# Altium PCB PCB1.PcbDoc (continued)
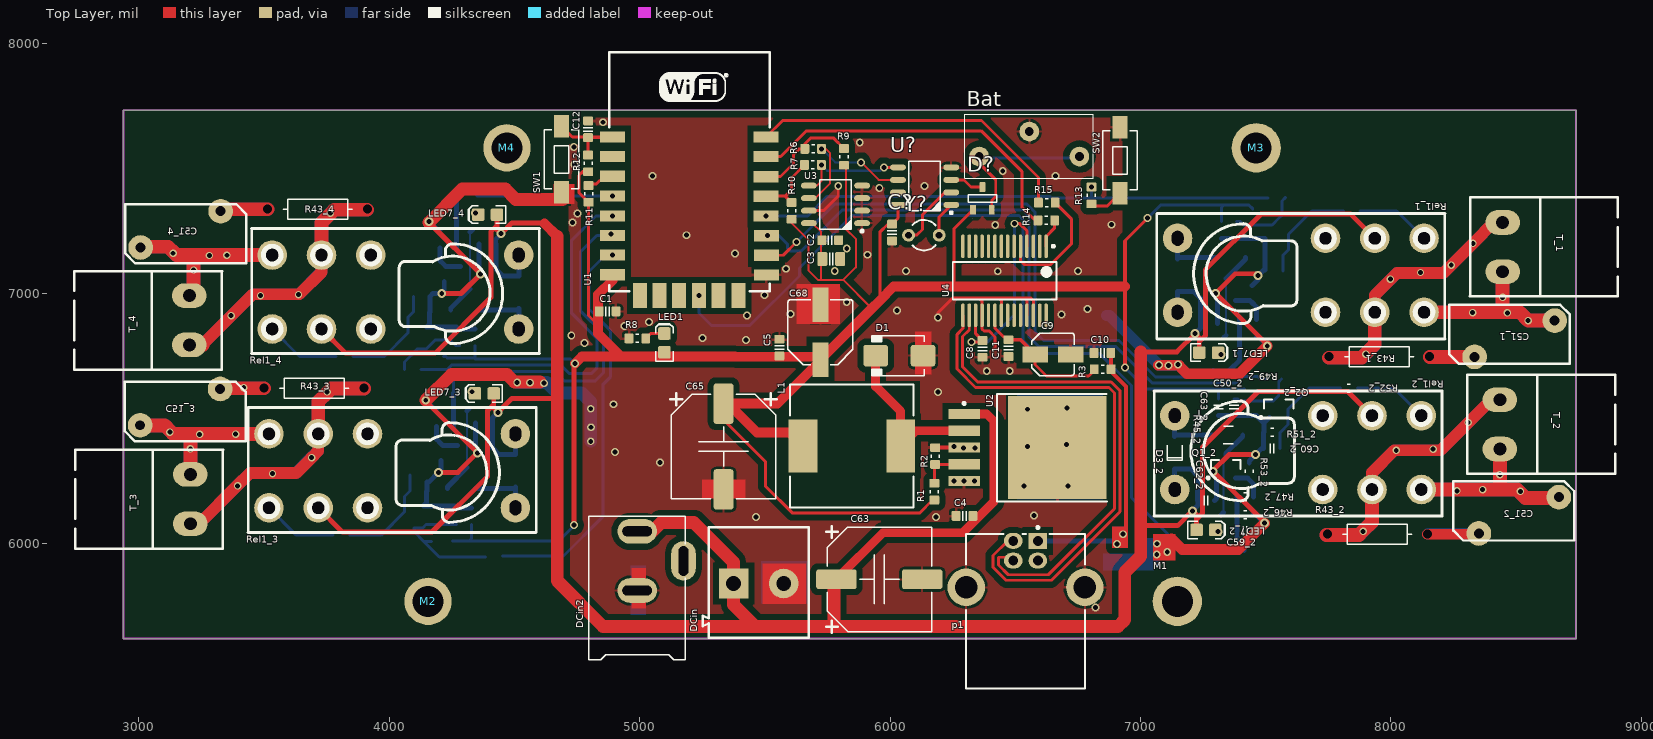
[diagram p0: Top Layer view]
## Footprints (in the part's own frame and the unit in brackets; to place one, negate y for a bottom-side part, rotate by r counter-clockwise, add the part's x,y. Pads: shape width x height; smd on the part's side, far side on the other; paste and mask are expansions set on the pad) (continued)
USB2.5-2H4E [mm] "Connector; USB1.1, Type B, Thru-Hole; 4 Position; Right Angle"
  rect 1.6x1.9 hole 1: 1(-1,1.25)
  oval 1.6x1.9 hole 1: 2(-1,-1.25) 3(1,-1.25) 4(1,1.25)
  round 3.8 hole 2.3: 5(3.71,6.02) 6(3.71,-6.02)
  silkscreen extent -2.47,-6.02 13.99,6.02, body extent -2.5,-7.45 14,7.45, height 10.95
WCAP-PSLP_4x5.5 [mm] "Aluminium Polymer V-Chip SMT Capacitors, Ф4x5.5mm"
  rect 2.6x1.6 smd: 1(1.8,0) 2(-1.8,0)
  silkscreen extent -2.15,-2.15 2.15,2.15, body extent -2.5,-2.15 2.5,2.15, height 5.5
WCAP-PSLP_6.3x7.7 [mm] "Aluminium Polymer V-Chip SMT Capacitors, Ф6.3x7.7mm"
  rect 3.5x1.6 smd: 1(2.8,0) 2(-2.8,0)
  silkscreen extent -3.3,-3.3 3.3,3.3, body extent -3.65,-3.3 3.65,3.3, height 7.7
"WE-PD 1210" [mm] "SMD Inductor, 2-Leads, Body 12,0x12,0mm"
  rect 2.9x5.4 smd: 1(-4.95,0) 2(4.95,0)
  silkscreen extent -6.25,-6.25 6.25,6.25, body extent -6,-6 6,6, height 10.36

## Part data
Bat DCin: library part 691253510002, "Terminal 2pin stand"
C1 C2 C4 C5 C8 C10 C11 C12 C50_1 C50_2 C50_3 C50_4 C59_1 C59_2 C59_3 C59_4 C60_1 C60_2 C60_3 C60_4 C62_1 C62_2 C62_3 C62_4 C63_1 C63_2 C63_3 C63_4 C?: library part CAPC_1n_0603_X7R_100V_10%, "Capacitor 0603"
C3: library part CAPC_4u7_0805, "Capacitor 0805"
C9: library part Cap-Polar, "Polar Capacitor"
C51_1 C51_2 C51_3 C51_4: library part "Cap Semi", "X1Y2 capacitor"
C63 C65: library part CAPE_220u_10V_SMD, "Capacitor SMD Alum Elec 220uF 20% 10V"
C68: library part "WCAP-PSLP 6.3x7.7x2.2 875105445007", "Capacitor smd Alum"
D1: library part DIODE_SCHOTTKY_MBRS130L, "ss34 DO-214AA"
D3_1 D3_2 D3_3 D3_4: library part DIODE_100V_500mW_MELF, "1n4148 minimelf"
D?: "bat54c"
DCin2: "Power Connector, THT, 2.1mm ID, 5.5mm OD"
L1: library part "WE-PD 1210, XXL, 7447709680", "inductor"
LED1: library part LED_SMD_Red_0805_6mcd, "LED 0805 red"
LED7_1 LED7_2 LED7_3 LED7_4: library part LED_SMD_Green_0805_6mcd, "LED 0805 Red"
M1 M2 M3 M4: library part "Board Screw", "Board Screw With Spacer"
p1: library part USB, "USB Connector-B Type"
Q1_1 Q1_2 Q1_3 Q1_4 Q2_1 Q2_2 Q2_3 Q2_4: library part NPN_MMBT2222A, "BC817"
R1 R2 R3 R4_1 R4_2 R4_3 R4_4 R5_1 R5_2 R5_3 R5_4 R6 R7 R9 R10 R14 R15 R44_1 R44_2 R44_3 R44_4 R46_1 R46_2 R46_3 R46_4 R47_1 R47_2 R47_3 R47_4 R49_1 R49_2 R49_3 R49_4 R51_1 R51_2 R51_3 R51_4 R52_1 R52_2 R52_3 R52_4 R53_1 R53_2 R53_3 R53_4: library part RES_2K2_0603_5%, "Resistor 0603"
R8 R13: library part RES_820R_0603_1%, "Resistor 0603"
R11 R12: library part RES_1K5_0603_5%, "Resistor 0603"
R43_1 R43_2 R43_3 R43_4: library part RES_1K5_Axial_0.5W_5%, "Resistor .25w dip"
R45_1 R45_2 R45_3 R45_4: library part RES_1R_1206_1%, "Resistor 1206"
Rel1_1 Rel1_2 Rel1_3 Rel1_4: library part relay_G2R_2
SW1 SW2: library part "WE-Tact Switches WS-TASV 434111043826", "SMD Tact Switch 6.0X3.5 mm"
T_1 T_2 T_3 T_4: library part "Phoenix terminal 2", "Terminal 2 Pin"
U3: library part AT24C01BN-SP25-B
U4: "USB UART Asynchronous Serial Data Transfer Chip, 28-pin SSOP, Tape and Reel"
Y?: "Crystal Oscillator"

## Via types
v1: diameter 31.5, hole 19.68, Top Layer to Bottom Layer, tented both sides, 91 vias
v2: diameter 29.68, hole 19.68, Top Layer to Bottom Layer, tented both sides, 34 vias
v3: diameter 35.43, hole 19.68, Top Layer to Bottom Layer, 20 vias
v4: diameter 31.5, hole 19.68, Top Layer to Bottom Layer, tented bottom, 1 vias

## Nets (pads, with @x,y where several pads share a name; then routed paths per layer and width w, separated by ;. In a path a pad name is that pad's centre, name@x,y a point inside that pad or via, vN(x,y) a via of type N, cw(c..) or ccw(c..) an arc to the next point about the centre after c; other vN are vias at no path point)
3.3V: C1.2 C2.2 C3.1 C5.2 C63_1.2 C63_2.2 C63_3.2 C63_4.2 C65.1 C68.1 C?.2 D?.1 L1.2 LED1.A R1.1 R9.2 R10.2 R11.1 R12.1 R49_1.2 R49_2.2 R49_3.2 R49_4.2 U1.8 U3.8 U?.8 | length 11030.7
  Top Layer w7.87: 4772.54,7486.54 R12.1 ; R10.2 5607,7281 5674,7214 5674,7093 5712,7055 5813,7055 ; U3.8@5690,7281 5725,7246 5725,7213 5725,7138 5725,7057 ; R9.2@5824,7512 5824,7257 5863,7218 5863,7105 5813,7055 ; 5923.62,6937.38 5923.62,6944.38 5813,7055
  Top Layer w11.81: v1@4740,6720 4741,6721 v1(4742,6721) ; v1@4741,6076 4741,6183 ; 4772.54,7486.54 4758,7472 4758,7402.54 R11.1 4796,6912 4834,6874 ; C65.1 5335,6496 5502,6329 5502,6232 5611,6123 6117,6123 6169.54,6175.54 R1.1 ; 5959.12,6972.88 5959,6973 5959,7245 5991.46,7277.46 C?.2 6031.7,7301.17 U?.8 ; 6256,7028 6256,7259.4 D?.1 ; 6941,7211 6941,7214 v1(7028,7301)
  Top Layer w15.75: v1(6938,6704) 6938,7010 ; 6938,7028 6938,7208
  Top Layer w19.68: v1@4737,6076 v1@4737,6720
  Top Layer w39.37: v1(4742,6721) 4769,6748 4926,6748 ; U1.8 4891,7052.54 4834,6995.54 4834,6929 4834,6874 4834,6840 4926,6748 ; L1.2 5598.12,6445 5468,6445 5352.74,6560.26 C65.1 5335.08,6560.34 5549.8,6560.34 C68.1@5722,6732.54 ; C68.1 5733.74,6747.5 5722,6747.5 5558,6747.5 5381.5,6747.5 5381,6748 5099,6748 4926,6748 ; C68.1@5738.24,6752 5923.62,6937.38 5959.12,6972.88 6014.24,7028 6256,7028 6938,7028
  Bottom Layer w11.81: R49_4.2 4226.54,6748.54 4233.08,6742 4341.7,6742 ; R49_3.2@4252.7,6011 4318.7,6011 ; C63_3.2 4328.7,6021 4318.7,6011 ; C63_4.2 4341.7,6742 ; v1@4741,6076 4739.5,6074.5 4676,6011 4318.7,6011 ; v1(4742,6721) 4724,6739 4341.7,6739 4341.7,6742 ; v1(6938,6704) 7023.7,6618.3 7312.3,6618.3 ; v1(7028,7301) 7081,7354 7333.3,7354 ; C63_2.2 7312.3,6618.3 ; C63_1.2 7323.3,7344 7333.3,7354 ; 7416,6618.3 7312.3,6618.3 ; R49_1.2 7432.76,7354 7333.3,7354
  other v1: 4738,6076
12V: C4.2 C62_1.2 C62_2.2 C62_3.2 C62_4.2 C63.1 D3_1.K D3_2.K D3_3.K D3_4.K DCin2.1 DCin.1 LED7_1.A LED7_2.A LED7_3.A LED7_4.A Rel1_1.1 Rel1_1.3 Rel1_2.1 Rel1_2.3 Rel1_3.1 Rel1_3.3 Rel1_4.1 Rel1_4.3 U2.1 | length 14067.4
  Top Layer w19.68: Rel1_3.3 3812.79,6048 4170.7,6048 4392.7,6270 4392.7,6533 4417.2,6557.5 ; Rel1_4.3 3825.79,6762 4183.7,6762 4405.7,6984 4405.7,7247 4430.2,7271.5 ; LED7_3.A 4417.2,6557.5 ; LED7_4.A 4430.2,7271.5 ; 4622,7282 4489.7,7282 v3(4446.7,7239) 4430.2,7255.5 4430.2,7271.5 ; 4671,6581 4489.7,6581 v3(4433.7,6525) 4417.2,6541.5 4417.2,6557.5 ; 7001,6073 7148.3,6073 v3(7207.3,6132) 7223.8,6115.5 7223.8,6099.5 ; 7001,6767 7145.3,6767 v3(7218.3,6840) 7234.8,6823.5 7234.8,6807.5 ; LED7_2.A 7223.8,6099.5 ; LED7_1.A 7234.8,6807.5 ; Rel1_2.3 7828.21,6609 7470.3,6609 7248.3,6387 7248.3,6124 7223.8,6099.5 ; Rel1_1.3 7839.21,7317 7481.3,7317 7259.3,7095 7259.3,6832 7234.8,6807.5
  Top Layer w35.43: C63.1 5971.74,6045 6291,6045 6344.23,6098.23 6414,6168 6414,6491 6386.07,6518.93 U2.1 U2.1@6297.46,6520.39
  Top Layer w39.37: 4620,7280 4671,7229
  Top Layer w51.18: 4671,7229 4671,6581 4671,5853 4854,5670 5462,5670 ; DCin2.1 5050.37,6050.37 5086,6086 5216,6086 5375,5927 DCin.1 5375,5757 5462,5670 ; 5776,5689 C63.1@5776,5859 ; 7001,6767 7001,6073 7001,5951 6937,5887 6937,5697 6910,5670 5462,5670
  Bottom Layer w19.68: C62_3.2 4412.17,6503.46 v3(4433.7,6525) ; C62_3.2@4413.17,6484 4413.17,6383.54 4439.74,6356.96 4504.7,6356.96 4504.7,6438.76 Rel1_3.1 ; C62_4.2 4425.17,7217.46 v3(4446.7,7239) ; C62_4.2@4426.17,7198 4426.17,7097.54 4452.74,7070.96 4517.7,7070.96 4517.7,7152.76 Rel1_4.1 ; Rel1_2.1 7136.3,6218.24 D3_2.K D3_2.K 7201.26,6300.04 7227.83,6273.46 C62_2.2@7227.83,6173 ; Rel1_1.1 7147.3,6926.24 D3_1.K 7212.26,7008.04 7238.83,6981.46 C62_1.2@7238.83,6881 ; v3(7207.3,6132) 7228.83,6153.54 C62_2.2 ; v3(7218.3,6840) 7239.83,6861.54 C62_1.2
DO1: R4_1.1 U1.16 | length 2454.7
  Top Layer w11.81: U1.16 5573,7153 v1(5626,7206)
  Bottom Layer w11.81: v1(5626,7206) 5777,7357 6547,7357 6578,7326 6578,6848 6613,6813 6914,6813 7060,6667 7275,6667 7290.54,6682.54 R4_1.1
DO2: R4_2.1 U1.12 | length 3502.4
  Bottom Layer w11.81: v1(5237,6993) 5237,6922 5287,6872 5440,6872 5638,7070 5638,7102 5848,7312 6515,7312 6530,7297 6530,6814 6584,6760 6837,6760 6964,6633 6964,6185 7174,5975 R4_2.1@7347.54,5975
DO3: R4_3.1 U1.6 | length 1230.8
  Bottom Layer w11.81: R4_3.1@4337.46,6672 4339.46,6674 4354.46,6689 4662,6689 4700,6651 4823,6651 4856,6684 4856,6838 4763,6931 4763,7166 4829,7232 4885,7232 v1@4891,7232
  other v1: 4885,7238
DO4: R4_4.1 U1.4 | length 545.2
  Bottom Layer w11.81: R4_4.1 4351.46,7390 v1(4891,7390)
DOF1: R5_1.1 R13.2 U1.18 | length 2084.5
  Bottom Layer w11.81: v1(5505,7310) 5671,7310 5749.5,7388.5 6637.5,7388.5 6644,7382 6802,7382 ; v1(6804,7425.46) 6804,7384 6802,7382 ; R5_1.1@7510,7382 6802,7382
DOF2: R5_2.1 U1.17 | length 2676.2
  Top Layer w11.81: U1.17 5508,7233 U1.17@5508.56,7233.56
  Bottom Layer w11.81: v1(5510,7231) 5556,7231 5590,7197 5590,7181 5601,7170 5645,7170 5809,7334 6529,7334 6554.19,7308.81 6554.19,6828.19 6594.38,6788 6902,6788 7048,6642 7382,6642 7409,6669 7467,6669 7477,6659 R5_2.1
DOF3: R5_3.1 U1.7 | length 1613.5
  Bottom Layer w11.81: R5_3.1@4451.46,5952 4696,5952 4853,6109 4853,6636 4883,6666 4883,6853 4798,6938 4798,7088 4864,7154 v1(4891,7154)
DOF4: R5_4.1 U1.5 | length 1488
  Bottom Layer w11.81: R5_4.1 4232,6697 4249,6714 4686,6714 4720,6680 4807,6680 4829,6702 4829,6821 4727,6923 4727,7211 4826,7310 v1(4891,7310)
EN: R11.2 U1.3 | length 106.6
  Top Layer w11.81: R11.2 4802.54,7438 4827,7438 4832.96,7443.96 cw(c4891,7385.92) U1.3
FT232RL_3.3V: C8.1 U4.4 U4.17 | length 862.9
  Top Layer w11.81: v1(6325,6806) 6362.54,6806 C8.1 6341.84,6839.62 U4.17 ; v1(6497,7279) 6518,7279 6546.57,7250.43 U4.4
  Bottom Layer w11.81: v1(6325,6806) 6388,6806 6497,6915 v1(6497,7279)
FT232RL_VCC: C9.1 C11.2 R3.2 U4.20 | length 518.2
  Top Layer w11.81: U4.20@6418.61,6873.2 6418.61,6861.39 6464.54,6815.46 C11.2 ; C9.1 6579.13,6717 6625.13,6671 6793,6671 R3.2@6814,6692
  Top Layer w15.75: C11.2 6520.67,6815.46 C9.1
GND: Bat.1 C1.1 C2.1 C3.2 C4.1 C5.1 C8.2 C9.2 C10.1 C11.1 C12.1 C50_1.1 C50_2.1 C50_3.1 C50_4.1 C59_1.1 C59_2.1 C59_3.1 C59_4.1 C60_1.1 C60_2.1 C60_3.1 C60_4.1 C62_1.1 C62_2.1 C62_3.1 C62_4.1 C63.2 C63_1.1 C63_2.1 C63_3.1 C63_4.1 C65.2 C68.2 C?.1 D1.A DCin2.2 DCin.2 p1.4 p1.5 p1.6 Q1_1.2 Q1_2.1 Q1_3.2 Q1_4.2 Q2_1.2 Q2_2.1 Q2_3.2 Q2_4.2 R2.2 R8.1 R46_1.1 R46_2.1 R46_3.1 R46_4.1 R51_1.1 R51_2.1 R51_3.1 R51_4.1 R53_1.1 R53_2.1 R53_3.1 R53_4.1 SW1.2 SW2.2 U1.15 U2.3 U2.5 U3.1 U3.2 U3.3 U3.4 U3.7 U4.7 U4.18 U4.21 U4.25 U4.26 U?.4 | length 8336.5
  Top Layer w11.81: U3.7 5734,7331 5793,7390 v1(5793,7429) ; v1(6192,6904) 6192,6924 6251,6983 6354,6983 ; 6419,6789 6419,6827 6396,6850 6375,6850 6367.43,6857.57 U4.18 6367.43,6969.57 6354,6983 ; U4.21 6444.2,6971.8 6433,6983 ; U4.25 6546.57,6970.43 6534,6983 ; U4.26 6572.16,6971.84 6561,6983 6534,6983 ; 6354,6983 6433,6983 ; 6433,6983 6534,6983
  Top Layer w15.75: R2.2 6295.39,6384.46 6296,6385.07 6292.07,6389 v1(6256,6389)
  Top Layer w19.68: v3(4145.7,6574) 4145.7,6570 v3(4351.7,6364) 4273.7,6286 v3(4196.7,6286) ; v3@4158.7,7284 v3(4364.7,7078) 4286.7,7000 v3(4209.7,7000) ; v3(7460,6357) 7353.3,6357 7289.3,6293 7495.3,6087 v3(7495.3,6083) ; v3(7470,7072) 7463,7079 7378.3,7079 v3(7300.3,7001) 7506.3,6795 v3(7506.3,6791)
  Top Layer w43.31: v1@7071,6714 v1@7154,6714 ; 7124.5,6020.5 7167,5978 7390.3,5978 v3(7495.3,6083) ; 7165,6701 7186,6680 7395.3,6680 v3(7506.3,6791)
  Top Layer w51.18: v3(4145.7,6574) 4248.7,6677 4470,6677 4500,6647 4602,6647 ; v3@4158.7,7284 4291.7,7417 4464,7417 4505,7376 SW1.2@4692,7376
  Bottom Layer w10: Q1_3.2@4345.24,6395.16 Q1_3.2 ; Q1_4.2@4358.24,7109.16 Q1_4.2 ; Q1_1.2 Q1_1.2@7306.76,6969.84
  Bottom Layer w19.68: R51_3.1 4148.17,6164.35 Q2_3.2 4185.71,6152.29 4186,6152 4260.17,6152 C50_3.1 C63_3.1 ; R51_3.1@4150.43,6212.27 4150.17,6212.54 4150.17,6247 4157.7,6247 v3(4196.7,6286) ; R51_4.1 4161.17,6878.35 Q2_4.2 4149.39,6866 4268,6866 4275.54,6858.46 C50_4.1 C63_4.1 ; R51_4.1@4163.43,6926.27 4163.17,6926.54 C60_4.1 4174.17,7000 v3(4209.7,7000) ; C59_3.1@4175.7,6604 v3(4145.7,6574) 4179.7,6540 R46_3.1 ; C59_4.1@4188.7,7318 v3(4158.7,7288) 4192.7,7254 R46_4.1 ; v3@4206.7,6296 R53_3.1 ; v3@4219.7,7010 R53_4.1 ; Q1_3.2@4345.24,6395.16 C62_3.1 ; Q1_4.2@4358.24,7109.16 C62_4.1 ; C62_2.1 7303.74,6180.98 Q1_2.1 ; C62_1.1 Q1_1.2@7306.76,6969.84 ; C63_2.1 C50_2.1 7463.46,6512.54 7492.83,6483.17 7492.83,6482.8 ; C63_1.1 C50_1.1 7498,7220.54 7498,7093.83 7491.83,7093.83 v3(7470,7072) 7470,7056.17 R53_1.1 ; R53_2.1 7434.3,6331.3 v3(7460,6357) 7485,6382 C60_2.1 7490.83,6444.46 R51_2.1@7490.57,6444.73 ; R46_2.1 7461.3,6117 v3(7495.3,6083) C59_2.1@7465.3,6053 ; R46_1.1 7472.3,6825 v3(7506.3,6791) C59_1.1@7476.3,6761 ; R51_2.1 7492.83,6482.8 ; Q2_2.1 7492.83,6482.8
  Bottom Layer w43.31: 6864,6913 6876,6913 7074,6715 v1(7074,6714)
  Bottom Layer w51.18: v1(4511,6645) 4629,6645 4671,6603 4769,6603 4804.6,6567.4 v1(4804.6,6540) v1(4804.6,6410)
  other v1: 6821,5747 7065,5958 7107,5968 7066,6001 5465,6107 6184,6108 6574,6114 6534,6231 6710,6232 6296,6251 6338,6251 6256,6252 5081,6325 4902,6368 6339,6383 6293,6384 6548,6389 6704,6397 4806,6466 6548,6538 6706,6543 4896,6558 6192,6607 4618,6642 4562,6644 6386,6690 6478,6690 7112,6713 7150,6717 4779,6803 5424,6815 5251,6823 4727,6833 4940,6870 5038,6887 5428,6912 6684,6916 5603,6919 6027,6932 6788,6938 5827,6966 5498,6995 6430,7089 6063,7090 6750,7090 5585,7099 5910,7155 5380,7160 5827,7180 5187,7233 6420,7274 6884,7275 4732,7284 4751,7320 5957,7422 6138,7429 6660,7469 5052,7470 6450,7490 4739,7515 4737,7586 5879,7603 4854,7684
  other v3: 7289,6289
  other v4: 5779,7090
MCU_RX: R14.2 U1.21 | length 1359.7
  Top Layer w11.81: U1.21 5563,7547 5666,7650 6364,7650 6526,7488 6526,7346 6580,7292 R14.2
MCU_TX: R15.2 U1.22 | length 1309.6
  Top Layer w11.81: U1.22 5571,7691 6365,7691 6592.54,7463.46 R15.2
NetBat_2: Bat.2 D?.2 | length 650.8
  Top Layer w11.81: Bat.2@6356,7547 6356,7520.68 6422,7454.68 6422,7388 6406.13,7372.13 D?.2
  Bottom Layer w11.81: Bat.2@6356,7547 6361.56,7541.44 6750.44,7541.44 Bat.2@6756,7547
NetC50_1_2: C50_1.2 Q2_1.3 R5_1.2 R49_1.1 | length 279.2
  Bottom Layer w11.81: C50_1.2 7398.83,7287.46 7412.3,7274 7448.3,7274 7526.01,7274 Q2_1.3 7565,7312.99 7565,7370 7577.73,7382.73 R5_1.2@7579,7384
NetC50_2_2: C50_2.2 Q2_2.3 R5_2.2 R49_2.1 | length 262.5
  Bottom Layer w11.81: C50_2.2 7387.83,6579.46 7396.92,6570.38 7437.3,6570.38 7529.38,6570.38 Q2_2.3@7552.22,6593.22 ; Q2_2.3 7552.14,6647.68 R5_2.2
NetC50_3_2: C50_3.2 Q2_3.3 R5_3.2 R49_3.1 | length 548.5
  Bottom Layer w11.81: R49_3.1 4138,6010 ; C50_3.2 4147.24,6077.54 4133.41,6063.71 Q2_3.3 4098.7,6049.3 4138,6010 ; R5_3.2 4200,5948 4153.77,5994.23 4138,6010
NetC50_4_2: C50_4.2 Q2_4.3 R5_4.2 R49_4.1 | length 296.1
  Bottom Layer w11.81: R5_4.2 4060.54,6726.54 Q2_4.3 4146.41,6777.71 4183.7,6815 4216.7,6815 4242.7,6815 4266.17,6791.54 C50_4.2
NetC51_1_1: C51_1.1 R43_1.2 | length 356
  Top Layer w55.12: 8156.3,6747 C51_1.1
  Bottom Layer w55.12: R43_1.2@8156.3,6747 C51_1.1
NetC51_1_2: C51_1.2 Rel1_1.7 T_1.1 | length 1383.4
  Top Layer w55.12: Rel1_1.7 8326.3,6925.36 8465.3,6925.36 8514.94,6925.36 v2(8548.3,6892) C51_1.2 ; 8446.3,6934.36 v2(8446.3,6985) T_1.1
  Bottom Layer w55.12: Rel1_1.7 8326.3,6925.36 8465.3,6925.36 8514.94,6925.36 v2(8548.3,6892) C51_1.2 ; 8446.3,6927.36 v2(8446.3,6985) T_1.1
  other v2: 8465.3,6923 8326.3,6924
NetC51_2_1: C51_2.1 R43_2.2 | length 430.5
  Top Layer w43.31: R43_2.2 8351.3,6039 8357.3,6039 C51_2.1@8360.3,6042
  Bottom Layer w43.31: R43_2.2 8149.3,6042 C51_2.1 C51_2.1@8360.3,6042
NetC51_2_2: C51_2.2 Rel1_2.7 T_2.1 | length 1383.4
  Top Layer w55.12: Rel1_2.7 8263.3,6217.36 v2(8366.3,6217.36) 8503.94,6217.36 8514.3,6207 8537.3,6184 C51_2.2@8643.02,6184 ; 8435.3,6226.36 v2(8435.3,6277) T_2.1
  Bottom Layer w55.12: Rel1_2.7 8263.3,6217.36 v2(8366.3,6217.36) 8503.94,6217.36 8514.3,6207 8537.3,6184 C51_2.2@8643.02,6184 ; 8435.3,6219.36 v2(8435.3,6277) T_2.1
  other v2: 8517.3,6210 8263.3,6212
NetC51_3_1: C51_3.1 R43_3.2 | length 366.5
  Top Layer w55.12: C51_3.1@3317.7,6619 3320.7,6622 3324.7,6622 3419,6622 R43_3.2
  Bottom Layer w55.12: C51_3.1@3317.7,6619 3320.7,6622 3324.7,6622 3419,6622 R43_3.2
  other v2: 3419,6624
NetC51_3_2: C51_3.2 Rel1_3.7 T_3.1 | length 1383.4
  Top Layer w55.12: C51_3.2@2997.98,6473 3004.98,6473 3103.7,6473 3126.7,6450 3137.06,6439.64 3242.7,6439.64 3386.7,6439.64 Rel1_3.7 ; T_3.1 v2(3205.7,6380) 3205.7,6430.64
  Bottom Layer w55.12: C51_3.2@2997.98,6473 3004.98,6473 3103.7,6473 3126.7,6450 3137.06,6439.64 3242.7,6439.64 3386.7,6439.64 Rel1_3.7 ; T_3.1 v2(3205.7,6380) 3205.7,6437.64
  other v2: 3242.7,6438 3386.7,6439 3123.7,6447
NetC51_4_1: C51_4.1 R43_4.2 | length 394.6
  Top Layer w55.12: C51_4.1@3319.7,7329 3323.2,7332.5 3327.7,7337 R43_4.2
  Bottom Layer w55.12: C51_4.1@3319.7,7329 3323.2,7332.5 3327.7,7337 R43_4.2
NetC51_4_2: C51_4.2 Rel1_4.7 T_4.1 | length 1383.4
  Top Layer w55.12: C51_4.2@3010.98,7187 3116.7,7187 3139.7,7164 3150.06,7153.64 3281.7,7153.64 3351.7,7153.64 Rel1_4.7 ; T_4.1@3218.7,6991.85 v2(3218.7,7094) 3218.7,7144.64
  Bottom Layer w55.12: C51_4.2@3010.98,7187 3116.7,7187 3139.7,7164 3150.06,7153.64 3281.7,7153.64 3351.7,7153.64 Rel1_4.7 ; T_4.1@3218.7,6991.85 v2(3218.7,7094) 3218.7,7151.64
  other v2: 3281.7,7152 3351.7,7153 3136.7,7161
NetC59_1_2: C59_1.2 R4_1.2 R46_1.2 R47_1.1 | length 215.9
  Bottom Layer w19.68: R4_1.2 7395.83,6734.37 C59_1.2 R46_1.2 R47_1.1
NetC59_2_2: C59_2.2 R4_2.2 R46_2.2 R47_2.1 | length 226.3
  Bottom Layer w19.68: R47_2.1 R46_2.2 C59_2.2 7384.83,6026.17 7414.46,5996.54 R4_2.2
NetC59_3_2: C59_3.2 R4_3.2 R46_3.2 R47_3.1 | length 213
  Bottom Layer w11.81: C59_3.2 4256.17,6661.63 R4_3.2
  Bottom Layer w19.68: R47_3.1 R46_3.2 C59_3.2
NetC59_4_2: C59_4.2 R4_4.2 R46_4.2 R47_4.1 | length 215.7
  Bottom Layer w19.68: R47_4.1 R46_4.2 C59_4.2 4269.17,7382.63 R4_4.2
NetC60_1_2: C60_1.2 Q2_1.1 R51_1.2 R52_1.2 | length 413.4
  Bottom Layer w11.81: C60_1.2 7568.76,7153 R51_1.2 7590.7,7174.94 Q2_1.1 7590.7,7236.4 7684.3,7330 R52_1.2
NetC60_2_2: C60_2.2 Q2_2.2 R51_2.2 R52_2.2 | length 413.4
  Bottom Layer w11.81: C60_2.2 7557.76,6445 R51_2.2 7589.54,6476.78 Q2_2.2 7589.54,6538.24 7673.3,6622 R52_2.2
NetC60_3_2: C60_3.2 Q2_3.1 R51_3.2 R52_3.2 | length 413.4
  Bottom Layer w11.81: R52_3.2 3967.7,6035 4061.3,6128.6 Q2_3.1 4061.3,6190.06 R51_3.2 4083.24,6212 C60_3.2
NetC60_4_2: C60_4.2 Q2_4.1 R51_4.2 R52_4.2 | length 413.4
  Bottom Layer w11.81: R52_4.2 3980.7,6749 4074.3,6842.6 Q2_4.1 4074.3,6904.06 R51_4.2 4096.24,6926 C60_4.2
NetD1_K: D1.K L1.1 U2.2 | length 681.5
  Top Layer w35.43: D1.K 5942.51,6629.49 6041.88,6530.12 L1.1 6102.88,6452 U2.2
NetD3_1_A: D3_1.A R45_1.1 Rel1_1.2 | length 243.5
  Bottom Layer w19.68: Rel1_1.2 7147.3,7219.76 D3_1.A 7153.34,7144 R45_1.1
NetD3_2_A: D3_2.A R45_2.1 Rel1_2.2 | length 243.5
  Bottom Layer w19.68: Rel1_2.2 7136.3,6511.76 7136.3,6429.96 7142.34,6436 R45_2.1
NetD3_3_A: D3_3.A R45_3.1 Rel1_3.2 | length 243.5
  Bottom Layer w19.68: R45_3.1 4498.66,6221 4504.25,6226.58 4504.7,6227.04 D3_3.A 4504.7,6145.24 Rel1_3.2
NetD3_4_A: D3_4.A R45_4.1 Rel1_4.2 | length 243.5
  Bottom Layer w19.68: R45_4.1 4511.66,6935 4516.25,6939.58 4517.7,6941.04 D3_4.A 4517.7,6859.24 Rel1_4.2
NetLED1_K: LED1.K R8.2 | length 82.6
  Top Layer w11.81: R8.2 5043.96,6840.5 LED1.K
NetLED7_1_K: LED7_1.K R44_1.1
  other v3: 7321.3,6757
NetLED7_2_K: LED7_2.K R44_2.1
  other v3: 7310.3,6049
NetLED7_3_K: LED7_3.K R44_3.1
  other v3: 4330.7,6608
NetLED7_4_K: LED7_4.K R44_4.1
  other v3: 4343.7,7322
NetQ1_1_1: Q1_1.1 R47_1.2 R53_1.2 | length 144.3
  Bottom Layer w19.68: Q1_1.1 7438.13,6971.71 R53_1.2 7462.76,6947.07 R47_1.2
NetQ1_1_3: Q1_1.3 R44_1.2 R45_1.2 | length 355.2
  Bottom Layer w7.87: R44_1.2@7342.3,6833.46 Q1_1.3
  Bottom Layer w19.68: R44_1.2 R44_1.2@7342.3,6833.46 ; Q1_1.3 7419.39,7137.38 R45_1.2
NetQ1_2_1: Q1_2.2 R47_2.2 R53_2.2 | length 134.5
  Bottom Layer w19.68: Q1_2.2 7427.13,6263.71 R53_2.2 7451.76,6239.07 R47_2.2
NetQ1_2_3: Q1_2.3 R44_2.2 R45_2.2 | length 355.2
  Bottom Layer w7.87: R44_2.2@7331.3,6125.46 7331.3,6342.45 Q1_2.3
  Bottom Layer w19.68: R44_2.2@7322.3,6116.46 R44_2.2@7331.3,6125.46 ; Q1_2.3 7341.14,6362.13 7408.39,6429.38 R45_2.2
NetQ1_3_1: Q1_3.1 R47_3.2 R53_3.2 | length 144.3
  Bottom Layer w19.68: R47_3.2 4189.24,6417.93 R53_3.2 4213.87,6393.29 Q1_3.1
NetQ1_3_3: Q1_3.3 R44_3.2 R45_3.2 | length 355.2
  Bottom Layer w7.87: Q1_3.3 R44_3.2@4309.7,6531.54
  Bottom Layer w19.68: R45_3.2 4232.61,6227.62 Q1_3.3 ; R44_3.2@4309.7,6531.54 R44_3.2@4318.7,6540.54
NetQ1_4_1: Q1_4.1 R47_4.2 R53_4.2 | length 144.3
  Bottom Layer w19.68: R47_4.2 4202.24,7131.93 R53_4.2 4226.87,7107.29 Q1_4.1
NetQ1_4_3: Q1_4.3 R44_4.2 R45_4.2 | length 355.2
  Bottom Layer w7.87: Q1_4.3 R44_4.2@4322.7,7245.54
  Bottom Layer w19.68: R45_4.2 4245.61,6941.62 Q1_4.3 ; R44_4.2@4322.7,7245.54 R44_4.2@4331.7,7254.54
NetR1_2: R1.2 R2.1 U2.4 | length 192.6
  Top Layer w11.81: R1.2 6177,6314.54 R2.1 6180.61,6318.14 U2.4
NetR6_1: R6.1 U3.6 U?.6 | length 628.9
  Top Layer w7.87: U3.6 5702,7381 5761,7440 5761,7561 5744,7578 v1(5726.46,7578) ; v1(5884,7524) 5954,7454 U?.6
  Bottom Layer w7.87: v1(5726.46,7578) 5780.46,7524 v1(5884,7524)
NetR7_1: R7.1 U3.5 U?.5 | length 444.2
  Top Layer w7.87: U3.5 5707.42,7431 5725.46,7449.04 v1(5725.46,7514)
  Top Layer w11.81: v1(5975,7504) U?.5
  Bottom Layer w9.06: v1(5725.46,7514) 5749.46,7490 5961,7490 v1(5975,7504)
NetR13_1: R13.1 SW2.1 | length 134.5
  Top Layer w11.81: R13.1@6804,7350.54 6868.43,7350.54 SW2.1
NetR14_1: R14.1 U4.1 | length 117.3
  Top Layer w11.81: U4.1 6623.34,7228.34 6657.46,7262.46 R14.1
NetR15_1: R15.1 U4.5 | length 493
  Top Layer w11.81: U4.5 6520.98,7132.02 6538,7115 6641,7115 6724,7198 6724,7298.46 R15.1
NetR43_1_1: R43_1.1 Rel1_1.4 T_1.2 | length 2064.2
  Top Layer w47.24: Rel1_1.4 7935.57,6993.28 7999.3,7057 8024.3,7082 8118.3,7082 8209.3,7082 v2(8241,7113.7) v2(8328,7200.7) T_1.2@8411.3,7284
  Top Layer w55.12: 7753.3,6744 7883.3,6744 7898.8,6759.5 7935.57,6796.28 Rel1_1.4 ; T_1.2@8411.3,7284 T_1.2
  Bottom Layer w47.24: Rel1_1.4 7935.57,6992.28 7999.8,7056.5 8025.3,7082 8118.3,7082 8209.3,7082 v2(8241,7113.7) v2(8328,7200.7) 8411.3,7284 T_1.2
  Bottom Layer w55.12: R43_1.1@7753.3,6744 7884.3,6744 7899.3,6759 7935.57,6795.28 Rel1_1.4
  other v2: 7900.3,6758 7998.3,7058 8118.3,7084
NetR43_2_1: R43_2.1 Rel1_2.4 T_2.2 | length 2064.2
  Top Layer w47.24: Rel1_2.4 7924.57,6285.28 8013.3,6374 v2(8021.3,6374) 8168.3,6374 8198.3,6374 8308.8,6484.5 T_2.2@8400.3,6576
  Top Layer w55.12: 7742.3,6036 7746.3,6036 7872.3,6036 7887.8,6051.5 7924.57,6088.28 Rel1_2.4 ; T_2.2@8400.3,6576 T_2.2
  Bottom Layer w47.24: Rel1_2.4 7924.57,6284.28 8014.3,6374 v2(8021.3,6374) 8168.3,6374 8198.3,6374 8308.8,6484.5 8400.3,6576 T_2.2
  Bottom Layer w55.12: R43_2.1@7742.3,6036 7746.3,6036 7873.3,6036 7888.3,6051 7924.57,6087.28 Rel1_2.4
  other v2: 7889.3,6050 8168.3,6379 8308.3,6485
NetR43_3_1: R43_3.1 Rel1_3.4 T_3.2 | length 2064.2
  Top Layer w47.24: T_3.2@3240.7,6081 3393.2,6233.5 3442.7,6283 3533.7,6283 3627.7,6283 v2(3689.7,6345) 3716.43,6371.72 Rel1_3.4
  Top Layer w55.12: T_3.2 T_3.2@3240.7,6081 ; Rel1_3.4 3716.43,6568.72 3753.2,6605.5 3768.7,6621 3898.7,6621
  Bottom Layer w47.24: T_3.2 3240.7,6081 3393.2,6233.5 3442.7,6283 3533.7,6283 3626.7,6283 3689.2,6345.5 3716.43,6372.72 Rel1_3.4
  Bottom Layer w55.12: Rel1_3.4 3716.43,6569.72 3752.7,6606 3767.7,6621 R43_3.1@3898.7,6621
  other v2: 3394.7,6232 3533.7,6281 3751.7,6607
NetR43_4_1: R43_4.1 Rel1_4.4 T_4.2 | length 2064.2
  Top Layer w47.24: T_4.2@3253.7,6795 3369.77,6911.07 3455.7,6997 3485.7,6997 3637.45,6997 3640.7,6997 3729.43,7085.72 Rel1_4.4
  Top Layer w55.12: T_4.2@3218.7,6795 T_4.2@3253.7,6795 ; Rel1_4.4 3729.43,7282.72 3766.2,7319.5 3781.7,7335 3911.7,7335
  Bottom Layer w47.24: T_4.2@3218.7,6795 3253.7,6795 3369.77,6911.07 3455.7,6997 3485.7,6997 3637.45,6997 3639.7,6997 3729.43,7086.72 Rel1_4.4
  Bottom Layer w55.12: Rel1_4.4 3729.43,7283.72 3765.7,7320 3780.7,7335 R43_4.1@3911.7,7335
  other v2: 3368.7,6912.14 3485.7,6992 3637.45,6995.89 3764.7,7321
NetR52_1_1: R52_1.1 Rel1_1.5 | length 301
  Bottom Layer w11.81: R52_1.1 8023.06,7330 Rel1_1.5
NetR52_2_1: R52_2.1 Rel1_2.5 | length 301
  Bottom Layer w11.81: R52_2.1 8012.06,6622 Rel1_2.5
NetR52_3_1: R52_3.1 Rel1_3.5 | length 301
  Bottom Layer w11.81: Rel1_3.5 3628.94,6035 R52_3.1
NetR52_4_1: R52_4.1 Rel1_4.5 | length 301
  Bottom Layer w11.81: Rel1_4.5 3641.94,6749 R52_4.1
NetU?_1: U?.1 Y?.2 | length 141
  Top Layer w11.81: Y?.2 6196.02,7305.72 U?.1
NetU?_2: U?.2 Y?.1 | length 275.7
  Top Layer w11.81: Y?.1 6106,7233 6129,7256 6129,7315 6218,7404 U?.2
RESET: C12.2 R12.2 SW1.1 U1.1 | length 387.9
  Top Layer w11.81: SW1.1 4730.89,7625 4794,7625 U1.1 4888.54,7622.54 C12.2 R12.2
RTC_BAT: D?.3 U?.3 | length 136.3
  Top Layer w11.81: U?.3 6294.72,7454 6323.45,7425.28 D?.3
SCL: R6.2 R9.1 U1.20 | length 425.4
  Top Layer w11.81: U1.20 5562,7467 5614,7519 5614,7555 5637,7578 R6.2 5659.54,7597.54 5684,7622 5773.46,7622 R9.1
SDA: R7.2 R10.1 U1.19 | length 269.5
  Top Layer w11.81: U1.19 5581.46,7389 ; R10.1 5581.46,7389 ; R7.2 5606,7461.46 5606,7413.54 5581.46,7389
USB_N: p1.2 U4.16 | length 2160.9
  Top Layer w11.81: U4.16 6316.25,6854.75 6289.7,6828.19 6289.7,6707.3 6350.19,6646.81 6883.03,6646.81 6917.81,6612.03 6917.81,6128.81 6644.19,5855.19 6462.97,5855.19 6411.19,5906.97 6411.19,5954.03 6469.52,6012.37 p1.2
USB_P: p1.3 U4.15 | length 2036.6
  Top Layer w11.81: U4.15 6290.66,6860 6267.88,6837.22 6267.88,6698.27 6341.15,6625 6874,6625 6896,6603 6896,6141 6632,5877 6472,5877 6433,5916 6433,5945 6435,5947 6478.42,5947 p1.3
USB_VCC: C10.2 p1.1 R3.1 | length 1046.1
  Top Layer w15.75: C10.2 6882.46,6762 R3.1 6882.46,6688.54 6943,6628 6943,6063
  Bottom Layer w19.68: p1.1 6894.37,6012.37 6894.5,6012.5 6906,6024
  other v1: 6907,6000 6930,6039
pads on no net: C1.0 C2.0 C3.0 C4.0 C5.0 C8.0 C10.0 C11.0 C12.0 C50_1.0 C50_2.0 C50_3.0 C50_4.0 C59_1.0 C59_2.0 C59_3.0 C59_4.0 C60_1.0 C60_2.0 C60_3.0 C60_4.0 C62_1.0 C62_2.0 C62_3.0 C62_4.0 C63.0 C63_1.0 C63_2.0 C63_3.0 C63_4.0 C65.0 C?.0 D1.0 D3_1.0 D3_2.0 D3_3.0 D3_4.0 D?.0 DCin2.3 LED1.0 LED7_1.0 LED7_2.0 LED7_3.0 LED7_4.0 M1.S M2.S M3.S M4.S R1.0 R2.0 R3.0 R4_1.0 R4_2.0 R4_3.0 R4_4.0 R5_1.0 R5_2.0 R5_3.0 R5_4.0 R6.0 R7.0 R8.0 R9.0 R10.0 R11.0 R12.0 R13.0 R14.0 R15.0 R44_1.0 R44_2.0 R44_3.0 R44_4.0 R45_1.0 R45_2.0 R45_3.0 R45_4.0 R46_1.0 R46_2.0 R46_3.0 R46_4.0 R47_1.0 R47_2.0 R47_3.0 R47_4.0 R49_1.0 R49_2.0 R49_3.0 R49_4.0 R51_1.0 R51_2.0 R51_3.0 R51_4.0 R52_1.0 R52_2.0 R52_3.0 R52_4.0 R53_1.0 R53_2.0 R53_3.0 R53_4.0 Rel1_1.6 Rel1_1.8 Rel1_2.6 Rel1_2.8 Rel1_3.6 Rel1_3.8 Rel1_4.6 Rel1_4.8 U1.2 U1.9 U1.10 U1.11 U1.13 U1.14 U3.0 U4.2 U4.3 U4.6 U4.8 U4.9 U4.10 U4.11 U4.12 U4.13 U4.14 U4.19 U4.22 U4.23 U4.24 U4.27 U4.28 U?.0 U?.7

## Polygon pours and split planes (outlines as drawn)
GND on Bottom Layer "zir" (solid, remove dead copper, pour order 13): 6922,5646 6922,7730 4712,7730 4712,5646
GND on Top Layer "roo" (solid, remove dead copper, pour order 15): 6928,5645 6928,7734 4717,7734 4717,5645

## Keep-outs
Keep-Out Layer:
  the board outline again, w7.87

## Other copper
Top Layer:
  region net GND: 5801,6877.85 5801,7038.85 5627,7038.85 5627,6877.85
  region net GND: 6165,6675.85 6165,6849 6100,6849 6100,6675.85
  region net GND: 5422,6181 5422,6257 5248,6257 5248,6181
  rectangle net GND: 7049,5934 7139,6040
  rectangle net USB_VCC: 6887,5984 6950,6069
  region net GND: 5026,5743 5026,5904 4968,5904 4968,5743
  region net GND: 5665,5761 5665,5922 5491,5922 5491,5761
  rectangle net GND: 4656,7358 4739,7438
  pour cut-out: 6120,6651.5 6120,6134.5 5580,6134.5 5580,6651.5
Bottom Layer:
  rectangle net GND: 6850,5894 7054,5961
  rectangle net GND: 7027,5914 7077,6023
  rectangle net GND: 7049,5937 7120,5987
  rectangle net USB_VCC: 6888,5984 6951,6069
  region net GND: 5026,5717 5026,5914 4964,5914 4964,5717
  region net GND: 6851,6178 6851,6600 6506,6600 6506,6178
  region net GND: 5673,5762 5673,5932 5485,5932 5485,5762
  rectangle net GND: 7064,6691 7166,6734

## Silkscreen, mask and mechanical layers (free items; w line width, h text height)
Bottom Solder:
  rectangle: 6555,6181 6863,6600

## Text inside footprints (layer, text, board x,y; h text height)
U1: Mechanical 13 "ANTENNA AREA" at 4891.04,7939.59 h27.56; Mechanical 13 "CUTOUT POLYGON" at 4891.04,7919.59 h27.56